# Altium PCB mppt.PcbDoc (part 2 of 2) (continued)
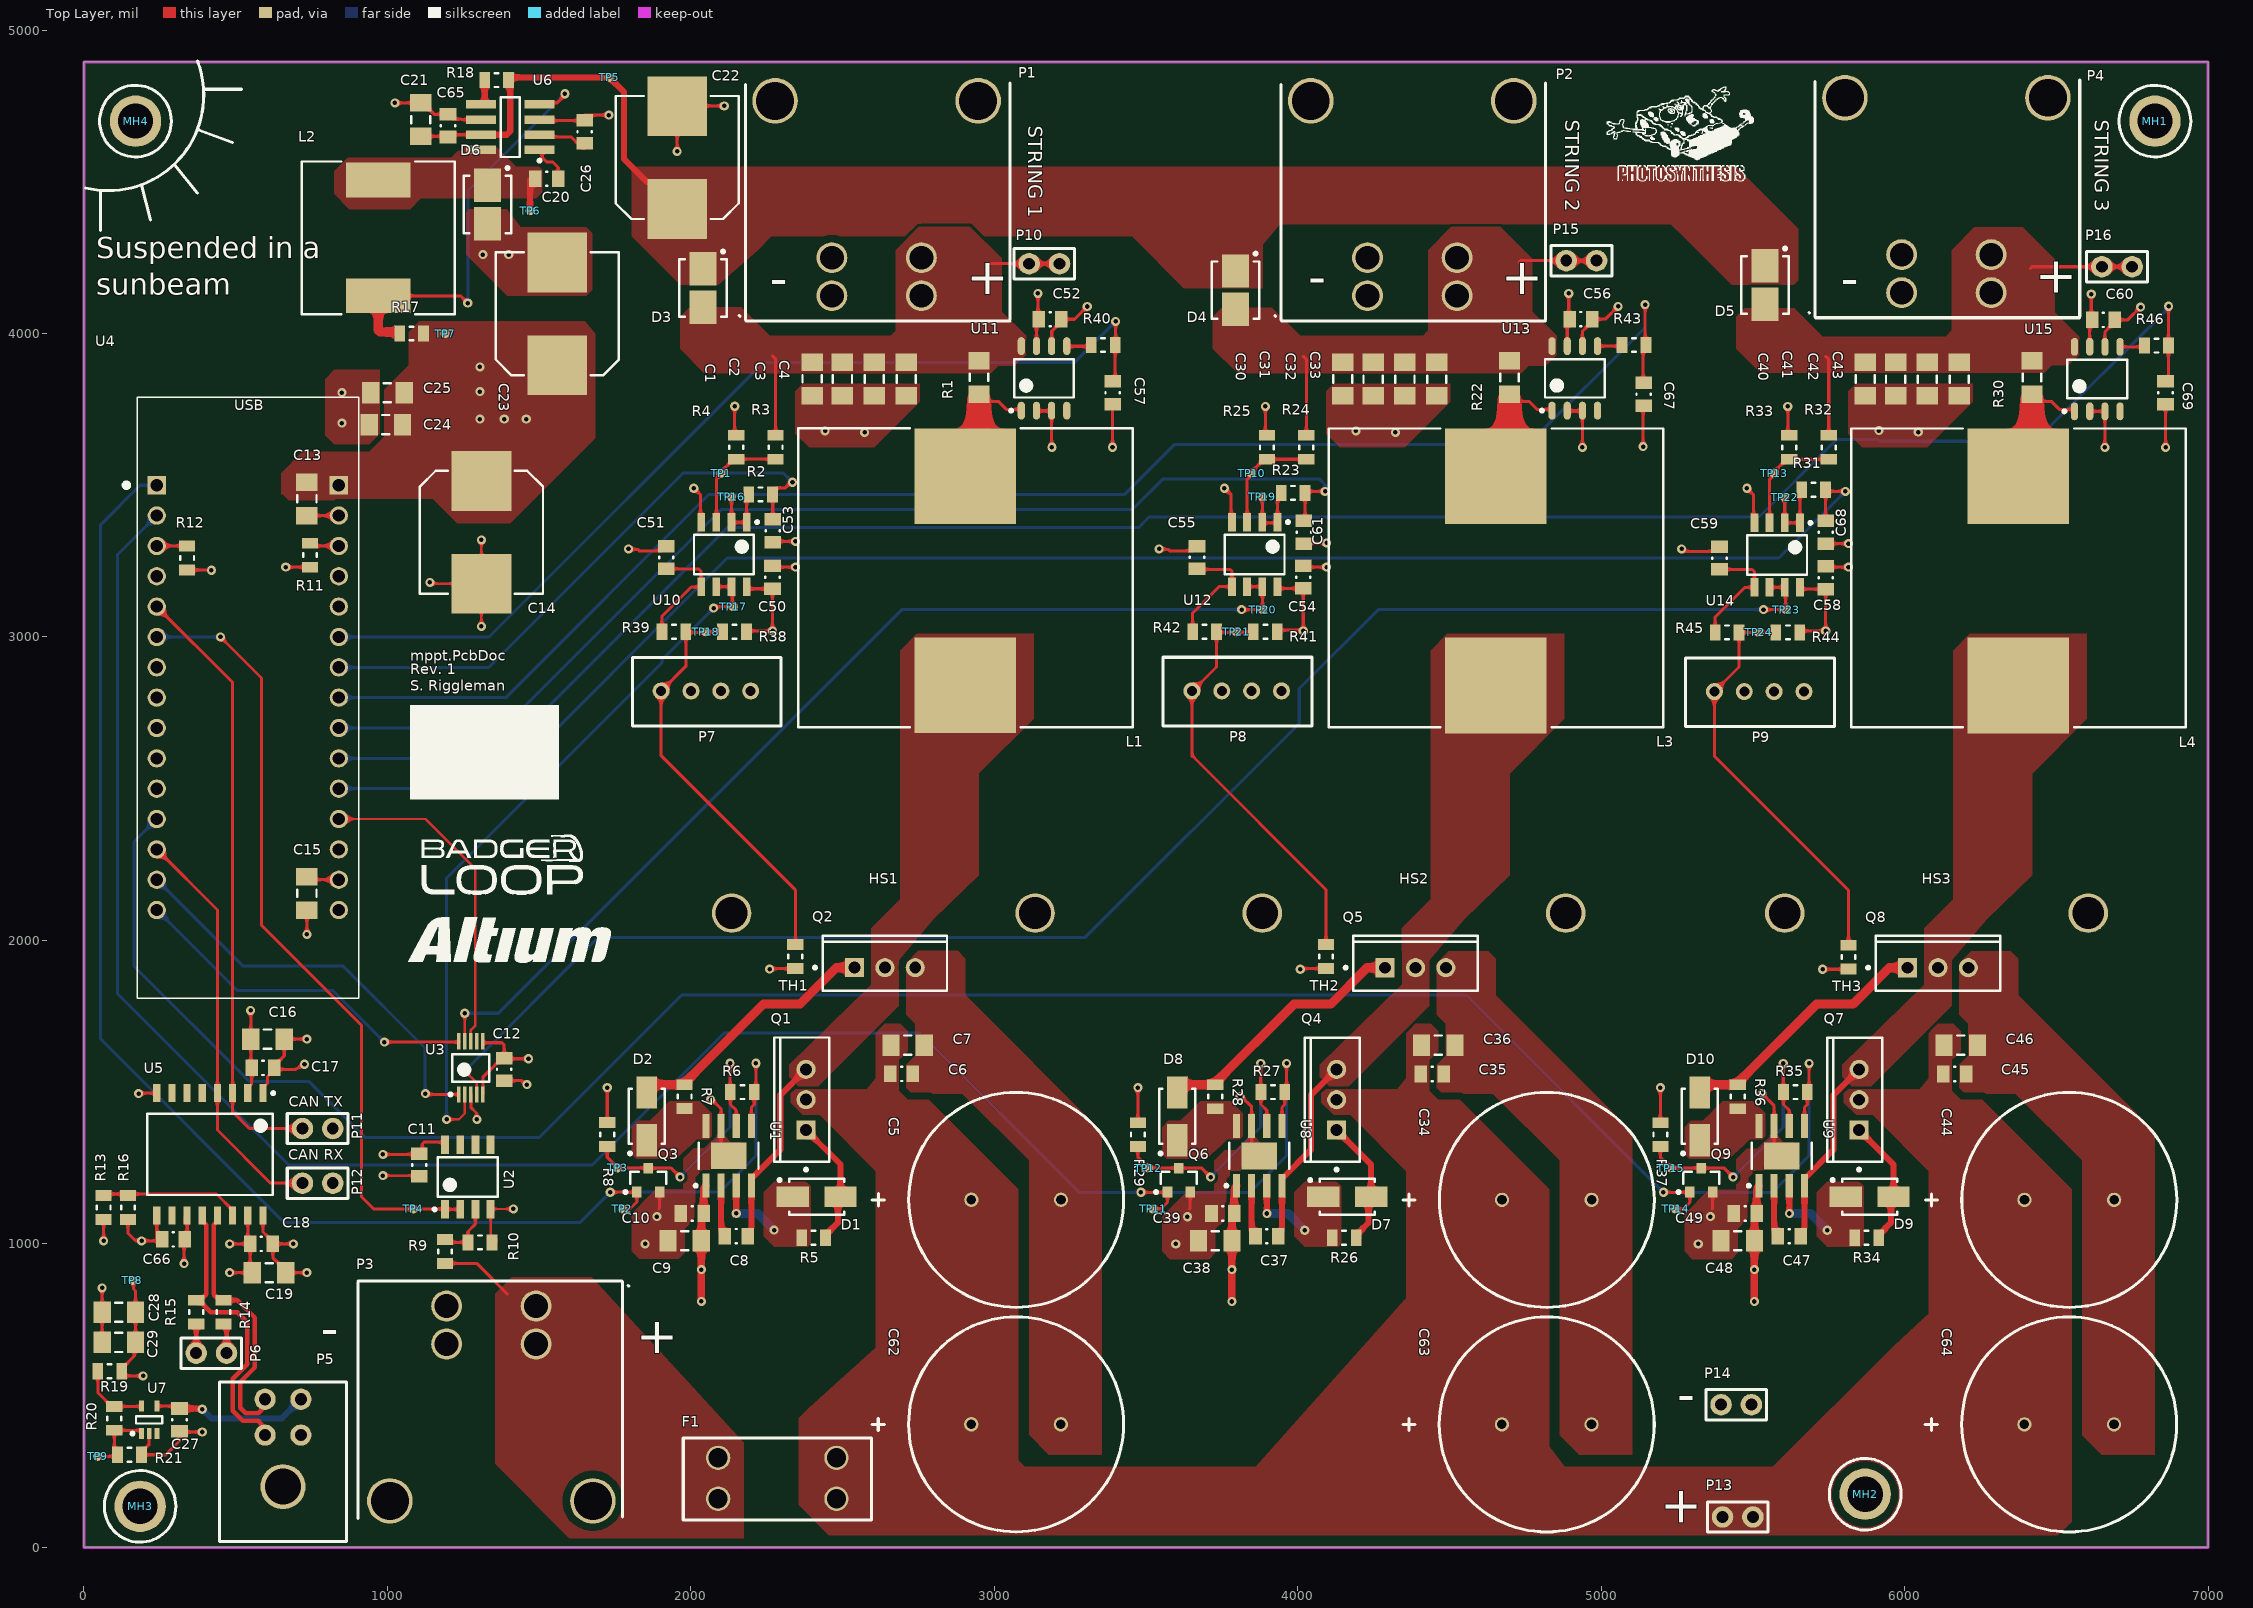
[diagram p0: Top Layer view]
## Nets (pads, with @x,y where several pads share a name; then routed paths per layer and width w, separated by ;. In a path a pad name is that pad's centre, name@x,y a point inside that pad or via, vN(x,y) a via of type N, cw(c..) or ccw(c..) an arc to the next point about the centre after c; other vN are vias at no path point) (continued)
VIN_DIV_STRING2: R24.2 R25.1 TP10.1 U12.3 | length 368.1
  Top Layer w10: U12.3@3833.19,3376.3 3833.19,3520.63 TP10.1@3845.37,3532.81 ; TP10.1@3848.19,3535 3852.02,3538.83 3852.02,3548.31 3889.33,3585.63 R24.2@4028.19,3585.63
VIN_DIV_STRING3: R32.2 R33.1 TP13.1 U14.3 | length 368.1
  Top Layer w10: U14.3@5555,3376.3 5555,3520.63 TP13.1@5567.19,3532.81 ; TP13.1@5570,3535 5573.83,3538.83 5573.83,3548.31 5611.14,3585.63 R32.2@5750,3585.63
VOUT_TELEM: TP4.1 U2.1 U2.2 U4.3.6 | length 2589.7
  Top Layer w10: v1(450,3000) 585,2865 585,2050 915,1720 915,1155 955,1115 TP4.1@1085,1115 1188.7,1115 U2.1@1190,1113.7 U2.2@1240,1113.7
  Bottom Layer w10: U4.3.6@240,3000 v1(450,3000)
VOUT_VDIV: R9.2 R10.1 U2.3 | length 198.3
  Top Layer w10: R9.2@1190,1014.37 1199.37,1005 R10.1@1265.63,1005 1265.72,1005.09 1265.72,1040.72 1290,1065 U2.3@1290,1113.7
pads on no net: MH1.2 MH2.2 MH3.2 MH4.2 P1. P2. P3. P4. P5.5 U2.5 U2.6 U2.7 U3.7 U4.3.7 U4.3.8 U4.3.9 U4.3.10 U4.3.11 U4.4.4 U4.4.5 U4.4.13 U4.4.15 U5.5 U5.6 U5.7 U5.10 U7.3 U11.4 U13.4 U15.4

## Polygon pours and split planes (outlines as drawn)
HV_GND on Top Layer "HV_GND_L01_P203" (solid, pour order 203): 20 vertices, not listed, extent 5274.74,1068.47 5650.13,1358.27
HV_GND on Top Layer "HV_GND_L01_P202" (solid, pour order 202): 20 vertices, not listed, extent 3554.74,1063.47 3930.13,1353.27
HV_GND on Top Layer "HV_GND_L01_P201" (solid, pour order 201): 20 vertices, not listed, extent 1804.61,1070.2 2180,1360
HV_GND on Top Layer "HV_GND_L01_P200" (solid, pour order 200): 975,3670 940,3635 825,3635 795,3665 795,3850 825,3880 975,3880
HV_GND on Top Layer "HV_GND_L01_P169" (solid, pour order 169): 4118.19,3835 4093.19,3810 4093.19,3670 4138.19,3625 4353.19,3625 4503.19,3775 4503.19,3835
HV_12P0V on Top Layer "HV_12P0V_L01_P199" (solid, pour order 199): 22 vertices, not listed, extent 650,3375 1685,4040
HV_GND on Top Layer "HV_GND_L01_P196" (solid, pour order 196): 1385,4420 1280,4420 1260,4400 1260,4260 1395,4125 1655,4125 1675,4145 1675,4330 1655,4350 1440.26,4350
NetC20_2 on Top Layer "NETC20_2_L01_P195" (solid, pour order 195): 1305,4620 1250,4620 1210,4580 870,4580 825,4535 825,4460 875,4410 1075,4410 1110,4445 1490,4445 1510,4465 1510,4540 1500,4550 1425,4550 1355,4620
NetC21_1 on Top Layer "NETC21_1_L01_P194" (solid, pour order 194): 23 vertices, not listed, extent 1805,4150 5650,4550
BATT_TELEM_OUT on Top Layer "BATT_TELEM_OUT_L01_P193" (solid, pour order 193): 1673.6,890 1410,890 1355,835 1355,275 1600,30 2175,30 2175,300 2175,345
BOOST_OUT_STRING1 on Top Layer "BOOST_OUT_STRING1_L01_P192" (solid, pour order 192): 17 vertices, not listed, extent 2355,40 6550,880
HV_GND on Top Layer "HV_GND_L01_P170" (solid, pour order 170): 2369.61,3835.2 2344.61,3810.2 2344.61,3670.2 2389.61,3625.2 2604.61,3625.2 2754.61,3775.2 2754.61,3835.2
BOOST_STRING2 on Top Layer "BOOST_STRING2_L01_P172" (solid, pour order 172): 18 vertices, not listed, extent 4073.19,1520 4878.19,3010
BOOST_OUT_STRING1 on Top Layer "BOOST_OUT_STRING1_L01_P175" (solid, pour order 175): 4463.19,1700 4438.19,1725 4385.33,1725 4358.19,1693.33 4358.19,215 4443.19,130 4788.19,130 4828.19,170 4828.19,230 4828.19,1180 4533.19,1475 4463.19,1475 4433.19,1505 4433.19,1605 4463.19,1635
BOOST_OUT_STRING1 on Top Layer "BOOST_OUT_STRING1_L01_P190" (solid, pour order 190): 4078.19,1500 4078.19,1475 4078.19,1465 4118.19,1425 4173.19,1425 4368.19,1230 4423.19,1230 4423.19,1495 4388.19,1545 4373.19,1545 4358.19,1545 4328.19,1510 4088.19,1510
STRING_POS_STRING1 on Top Layer "STRING_POS_STRING1_L01_P113" (solid, pour order 113): 21 vertices, not listed, extent 1965,3869.88 3100,4349.88
STRING_POS_STRING1 on Top Layer "STRING_POS_STRING1_L01_P114" (solid, pour order 114): 21 vertices, not listed, extent 1966.57,3869.09 3101.57,4349.09
STRING_POS_STRING1 on Top Layer "STRING_POS_STRING1_L01_P115" (solid, pour order 115): 21 vertices, not listed, extent 1966.57,3869.09 3101.57,4349.09
STRING_POS_STRING1 on Top Layer "STRING_POS_STRING1_L01_P117" (solid, pour order 117): 21 vertices, not listed, extent 1972.99,3869.53 3107.99,4349.53
STRING_POS_STRING1 on Top Layer "STRING_POS_STRING1_L01_P119" (solid, pour order 119): 21 vertices, not listed, extent 1965,3869.88 3100,4349.88
STRING_POS_STRING1 on Top Layer "STRING_POS_STRING1_L01_P121" (solid, pour order 121): 21 vertices, not listed, extent 1974.61,3870.2 3109.61,4350.2
STRING_POS_STRING1 on Top Layer "STRING_POS_STRING1_L01_P123" (solid, pour order 123): 21 vertices, not listed, extent 1968.16,3871.97 3103.16,4351.97
STRING_POS_STRING1 on Top Layer "STRING_POS_STRING1_L01_P124" (solid, pour order 124): 21 vertices, not listed, extent 1968.19,3869.76 3103.19,4349.76
STRING_POS_STRING1 on Top Layer "STRING_POS_STRING1_L01_P125" (solid, pour order 125): 21 vertices, not listed, extent 1965,3869.88 3100,4349.88
STRING_POS_STRING1 on Top Layer "STRING_POS_STRING1_L01_P126" (solid, pour order 126): 21 vertices, not listed, extent 1966.57,3869.09 3101.57,4349.09
STRING_POS_STRING1 on Top Layer "STRING_POS_STRING1_L01_P127" (solid, pour order 127): 21 vertices, not listed, extent 1965,3869.88 3100,4349.88
STRING_POS_STRING1 on Top Layer "STRING_POS_STRING1_L01_P128" (solid, pour order 128): 21 vertices, not listed, extent 1966.57,3869.09 3101.57,4349.09
STRING_POS_STRING1 on Top Layer "STRING_POS_STRING1_L01_P129" (solid, pour order 129): 21 vertices, not listed, extent 1966.57,3869.09 3101.57,4349.09
STRING_POS_STRING1 on Top Layer "STRING_POS_STRING1_L01_P132" (solid, pour order 132): 21 vertices, not listed, extent 1968.16,3871.97 3103.16,4351.97
STRING_POS_STRING1 on Top Layer "STRING_POS_STRING1_L01_P133" (solid, pour order 133): 21 vertices, not listed, extent 1968.19,3869.76 3103.19,4349.76
STRING_POS_STRING1 on Top Layer "STRING_POS_STRING1_L01_P134" (solid, pour order 134): 21 vertices, not listed, extent 1968.16,3871.97 3103.16,4351.97
STRING_POS_STRING1 on Top Layer "STRING_POS_STRING1_L01_P135" (solid, pour order 135): 21 vertices, not listed, extent 1968.19,3869.76 3103.19,4349.76
STRING_POS_STRING1 on Top Layer "STRING_POS_STRING1_L01_P136" (solid, pour order 136): 21 vertices, not listed, extent 1965,3869.88 3100,4349.88
STRING_POS_STRING1 on Top Layer "STRING_POS_STRING1_L01_P137" (solid, pour order 137): 21 vertices, not listed, extent 1966.57,3869.09 3101.57,4349.09
STRING_POS_STRING1 on Top Layer "STRING_POS_STRING1_L01_P138" (solid, pour order 138): 21 vertices, not listed, extent 1965,3869.88 3100,4349.88
STRING_POS_STRING1 on Top Layer "STRING_POS_STRING1_L01_P139" (solid, pour order 139): 21 vertices, not listed, extent 1966.57,3869.09 3101.57,4349.09
STRING_POS_STRING1 on Top Layer "STRING_POS_STRING1_L01_P140" (solid, pour order 140): 21 vertices, not listed, extent 1966.57,3869.09 3101.57,4349.09
STRING_POS_STRING1 on Top Layer "STRING_POS_STRING1_L01_P141" (solid, pour order 141): 21 vertices, not listed, extent 1974.58,3872.4 3109.58,4352.4
STRING_POS_STRING1 on Top Layer "STRING_POS_STRING1_L01_P142" (solid, pour order 142): 21 vertices, not listed, extent 1974.61,3870.2 3109.61,4350.2
STRING_POS_STRING1 on Top Layer "STRING_POS_STRING1_L01_P143" (solid, pour order 143): 21 vertices, not listed, extent 1974.58,3872.4 3109.58,4352.4
STRING_POS_STRING1 on Top Layer "STRING_POS_STRING1_L01_P144" (solid, pour order 144): 21 vertices, not listed, extent 1974.61,3870.2 3109.61,4350.2
STRING_POS_STRING1 on Top Layer "STRING_POS_STRING1_L01_P145" (solid, pour order 145): 21 vertices, not listed, extent 1971.42,3870.31 3106.42,4350.31
STRING_POS_STRING1 on Top Layer "STRING_POS_STRING1_L01_P146" (solid, pour order 146): 21 vertices, not listed, extent 1972.99,3869.53 3107.99,4349.53
STRING_POS_STRING1 on Top Layer "STRING_POS_STRING1_L01_P147" (solid, pour order 147): 21 vertices, not listed, extent 1971.42,3870.31 3106.42,4350.31
STRING_POS_STRING1 on Top Layer "STRING_POS_STRING1_L01_P148" (solid, pour order 148): 21 vertices, not listed, extent 1972.99,3869.53 3107.99,4349.53
STRING_POS_STRING1 on Top Layer "STRING_POS_STRING1_L01_P149" (solid, pour order 149): 21 vertices, not listed, extent 1972.99,3869.53 3107.99,4349.53
STRING_POS_STRING1 on Top Layer "STRING_POS_STRING1_L01_P150" (solid, pour order 150): 21 vertices, not listed, extent 1974.58,3872.4 3109.58,4352.4
STRING_POS_STRING1 on Top Layer "STRING_POS_STRING1_L01_P151" (solid, pour order 151): 21 vertices, not listed, extent 1974.61,3870.2 3109.61,4350.2
STRING_POS_STRING1 on Top Layer "STRING_POS_STRING1_L01_P152" (solid, pour order 152): 21 vertices, not listed, extent 1974.58,3872.4 3109.58,4352.4
STRING_POS_STRING1 on Top Layer "STRING_POS_STRING1_L01_P153" (solid, pour order 153): 21 vertices, not listed, extent 1974.61,3870.2 3109.61,4350.2
STRING_POS_STRING1 on Top Layer "STRING_POS_STRING1_L01_P154" (solid, pour order 154): 21 vertices, not listed, extent 1971.42,3870.31 3106.42,4350.31
STRING_POS_STRING1 on Top Layer "STRING_POS_STRING1_L01_P155" (solid, pour order 155): 21 vertices, not listed, extent 1972.99,3869.53 3107.99,4349.53
STRING_POS_STRING1 on Top Layer "STRING_POS_STRING1_L01_P156" (solid, pour order 156): 21 vertices, not listed, extent 1971.42,3870.31 3106.42,4350.31
STRING_POS_STRING1 on Top Layer "STRING_POS_STRING1_L01_P157" (solid, pour order 157): 21 vertices, not listed, extent 1972.99,3869.53 3107.99,4349.53
STRING_POS_STRING1 on Top Layer "STRING_POS_STRING1_L01_P158" (solid, pour order 158): 21 vertices, not listed, extent 1972.99,3869.53 3107.99,4349.53
STRING_POS_STRING1 on Top Layer "STRING_POS_STRING1_L01_P159" (solid, pour order 159): 21 vertices, not listed, extent 1974,3872 3109,4352
STRING_POS_STRING1 on Top Layer "STRING_POS_STRING1_L01_P160" (solid, pour order 160): 21 vertices, not listed, extent 1974.03,3869.8 3109.03,4349.8
STRING_POS_STRING1 on Top Layer "STRING_POS_STRING1_L01_P161" (solid, pour order 161): 21 vertices, not listed, extent 1974,3872 3109,4352
STRING_POS_STRING1 on Top Layer "STRING_POS_STRING1_L01_P162" (solid, pour order 162): 21 vertices, not listed, extent 1974.03,3869.8 3109.03,4349.8
STRING_POS_STRING1 on Top Layer "STRING_POS_STRING1_L01_P163" (solid, pour order 163): 21 vertices, not listed, extent 1970.84,3869.91 3105.84,4349.91
STRING_POS_STRING1 on Top Layer "STRING_POS_STRING1_L01_P164" (solid, pour order 164): 21 vertices, not listed, extent 1972.41,3869.13 3107.41,4349.13
STRING_POS_STRING1 on Top Layer "STRING_POS_STRING1_L01_P165" (solid, pour order 165): 21 vertices, not listed, extent 1970.84,3869.91 3105.84,4349.91
STRING_POS_STRING1 on Top Layer "STRING_POS_STRING1_L01_P166" (solid, pour order 166): 21 vertices, not listed, extent 1972.41,3869.13 3107.41,4349.13
STRING_POS_STRING1 on Top Layer "STRING_POS_STRING1_L01_P167" (solid, pour order 167): 21 vertices, not listed, extent 1972.41,3869.13 3107.41,4349.13
STRING_POS_STRING1 on Top Layer "STRING_POS_STRING1_L01_P108" (solid, pour order 108): 21 vertices, not listed, extent 1974.61,3870.2 3109.61,4350.2
BOOST_STRING1 on Top Layer "BOOST_STRING1_L01_P173" (solid, pour order 173): 18 vertices, not listed, extent 2324.61,1520.2 3129.61,3010.2
BOOST_OUT_STRING1 on Top Layer "BOOST_OUT_STRING1_L01_P176" (solid, pour order 176): 2714.61,1700.2 2689.61,1725.2 2636.75,1725.2 2609.61,1693.53 2609.61,215.2 2694.61,130.2 3039.61,130.2 3079.61,170.2 3079.61,230.2 3079.61,1180.2 2784.61,1475.2 2714.61,1475.2 2684.61,1505.2 2684.61,1605.2 2714.61,1635.2
DH_STRING1 on Top Layer "DH_STRING1_L01_P185" (solid, pour order 185): 2394.61,1190.2 2384.61,1200.2 ccw(c2372.54,1188.13) 2372.54,1205.2 2274.61,1205.2 2239.61,1170.2 2239.61,1025.2 2274.61,990.2 2384.61,990.2 2394.61,1000.2
BOOST_OUT_STRING1 on Top Layer "BOOST_OUT_STRING1_L01_P191" (solid, pour order 191): 2329.61,1500.2 2329.61,1475.2 2329.61,1465.2 2369.61,1425.2 2424.61,1425.2 2619.61,1230.2 2674.61,1230.2 2674.61,1495.2 2639.61,1545.2 2624.61,1545.2 2609.61,1545.2 2579.61,1510.2 2339.61,1510.2
DL_STRING1 on Top Layer "DL_STRING1_L01_P179" (solid, pour order 179): 1949.61,1280.2 1999.61,1325.2 2019.61,1345.2 2059.61,1345.2 2069.61,1355.2 2069.61,1430.2 2029.61,1470.2 1929.61,1470.2 1864.61,1405.2 1824.61,1405.2 1804.61,1385.2 1804.61,1295.2 1819.61,1280.2
HV_GND on Top Layer "HV_GND_L01_P182" (solid, pour order 182): 1994.61,1135.2 1869.61,1135.2 1804.61,1070.2 1804.61,975.2 1829.61,950.2 1959.61,950.2 1979.61,970.2 1979.61,1050.2 1994.61,1065.2 1994.61,1130.2
HV_GND on Top Layer "HV_GND_L01_P188" (solid, pour order 188): 21 vertices, not listed, extent 2709.61,305.2 3354.61,1965.2
STRING_POS_STRING2 on Top Layer "STRING_POS_STRING2_L01_P107" (solid, pour order 107): 21 vertices, not listed, extent 3723.19,3870 4858.19,4350
DH_STRING2 on Top Layer "DH_STRING2_L01_P184" (solid, pour order 184): 4143.19,1190 4133.19,1200 ccw(c4121.12,1187.93) 4121.12,1205 4023.19,1205 3988.19,1170 3988.19,1025 4023.19,990 4133.19,990 4143.19,1000
DL_STRING2 on Top Layer "DL_STRING2_L01_P178" (solid, pour order 178): 3698.19,1280 3748.19,1325 3768.19,1345 3808.19,1345 3818.19,1355 3818.19,1430 3778.19,1470 3678.19,1470 3613.19,1405 3573.19,1405 3553.19,1385 3553.19,1295 3568.19,1280
HV_GND on Top Layer "HV_GND_L01_P181" (solid, pour order 181): 3743.19,1135 3618.19,1135 3553.19,1070 3553.19,975 3578.19,950 3708.19,950 3728.19,970 3728.19,1050 3743.19,1065 3743.19,1130
HV_GND on Top Layer "HV_GND_L01_P187" (solid, pour order 187): 21 vertices, not listed, extent 4458.19,305 5103.19,1965
STRING_POS_STRING2 on Top Layer "STRING_POS_STRING2_L01_P106" (solid, pour order 106): 21 vertices, not listed, extent 3723.19,3870 4858.19,4350
HV_GND on Top Layer "HV_GND_L01_P186" (solid, pour order 186): 21 vertices, not listed, extent 6180,305 6825,1965
STRING_POS_STRING2 on Top Layer "STRING_POS_STRING2_L01_P131" (solid, pour order 131): 21 vertices, not listed, extent 3723.16,3872.2 4858.16,4352.2
STRING_POS_STRING2 on Top Layer "STRING_POS_STRING2_L01_P130" (solid, pour order 130): 21 vertices, not listed, extent 3723.19,3870 4858.19,4350
STRING_POS_STRING2 on Top Layer "STRING_POS_STRING2_L01_P122" (solid, pour order 122): 21 vertices, not listed, extent 3723.16,3872.2 4858.16,4352.2
STRING_POS_STRING2 on Top Layer "STRING_POS_STRING2_L01_P120" (solid, pour order 120): 21 vertices, not listed, extent 3723.19,3870 4858.19,4350
STRING_POS_STRING2 on Top Layer "STRING_POS_STRING2_L01_P118" (solid, pour order 118): 21 vertices, not listed, extent 3720,3870.12 4855,4350.12
STRING_POS_STRING2 on Top Layer "STRING_POS_STRING2_L01_P116" (solid, pour order 116): 21 vertices, not listed, extent 3721.57,3869.33 4856.57,4349.33
STRING_POS_STRING2 on Top Layer "STRING_POS_STRING2_L01_P112" (solid, pour order 112): 21 vertices, not listed, extent 3720,3870.12 4855,4350.12
STRING_POS_STRING2 on Top Layer "STRING_POS_STRING2_L01_P111" (solid, pour order 111): 21 vertices, not listed, extent 3721.57,3869.33 4856.57,4349.33
STRING_POS_STRING2 on Top Layer "STRING_POS_STRING2_L01_P110" (solid, pour order 110): 21 vertices, not listed, extent 3721.57,3869.33 4856.57,4349.33
HV_GND on Top Layer "HV_GND_L01_P180" (solid, pour order 180): 5465,1135 5340,1135 5275,1070 5275,975 5300,950 5430,950 5450,970 5450,1050 5465,1065 5465,1130
DL_STRING3 on Top Layer "DL_STRING3_L01_P177" (solid, pour order 177): 5420,1280 5470,1325 5490,1345 5530,1345 5540,1355 5540,1430 5500,1470 5400,1470 5335,1405 5295,1405 5275,1385 5275,1295 5290,1280
BOOST_OUT_STRING1 on Top Layer "BOOST_OUT_STRING1_L01_P189" (solid, pour order 189): 5800,1500 5800,1475 5800,1465 5840,1425 5895,1425 6090,1230 6145,1230 6145,1495 6110,1545 6095,1545 6080,1545 6050,1510 5810,1510
DH_STRING3 on Top Layer "DH_STRING3_L01_P183" (solid, pour order 183): 5865,1190 5855,1200 ccw(c5842.93,1187.93) 5842.93,1205 5745,1205 5710,1170 5710,1025 5745,990 5855,990 5865,1000
BOOST_OUT_STRING1 on Top Layer "BOOST_OUT_STRING1_L01_P174" (solid, pour order 174): 6185,1700 6160,1725 6107.14,1725 6080,1693.33 6080,215 6165,130 6510,130 6550,170 6550,230 6550,1180 6255,1475 6185,1475 6155,1505 6155,1605 6185,1635
BOOST_STRING3 on Top Layer "BOOST_STRING3_L01_P171" (solid, pour order 171): 18 vertices, not listed, extent 5795,1520 6600,3010
STRING_POS_STRING3 on Top Layer "STRING_POS_STRING3_L01_P105" (solid, pour order 105): 21 vertices, not listed, extent 5445,3870 6580,4350
HV_GND on Top Layer "HV_GND_L01_P168" (solid, pour order 168): 5840,3835 5815,3810 5815,3670 5860,3625 6075,3625 6225,3775 6225,3835
HV_GND on Layer 1 (split plane): 6979.9,20.1 890.1,20.1 890.1,970 889.71,971.95 888.6,973.6 593.6,1268.6 591.95,1269.71 590,1270.1 20.1,1270.1 20.1,4874.9 6979.9,4874.9
LV_GND on Layer 1 (split plane): 879.9,967.89 879.9,20.1 20.1,20.1 20.1,1259.9 587.89,1259.9
LV_5P0V on Layer 2 (split plane): 884.9,962.89 884.9,20.1 20.1,20.1 20.1,1264.9 582.89,1264.9
HV_3P3V on Layer 2 (split plane): 6979.9,20.1 895.1,20.1 895.1,965 894.71,966.95 893.6,968.6 588.6,1273.6 586.95,1274.71 585,1275.1 20.1,1275.1 20.1,4874.9 6979.9,4874.9
HV_12P0V on Layer 2 (split plane): 36 vertices, not listed, extent 660.1,565.1 5594.9,4044.9

## Keep-outs
Keep-Out Layer:
  the board outline again, w10

## Other copper
Layer 1 (plane layer: these items are gaps in the copper):
  lines w10: 0,1265 590,1265 885,970 885,0
Layer 2 (plane layer: these items are gaps in the copper):
  lines w10: 0,1270 585,1270 890,965 890,10 ; 655,3435 655,4000 655,4015 670,4030 690,4050 1445,4050 1515,3980 1515,3480 1390,3355 1390,1435 1690,1135 5335,1135 5435,1135 5600,970 5600,730 5430,560 1095,560 1040,615 1040,3230 920,3350 735,3350 660,3425 660,3445

## Silkscreen, mask and mechanical layers (free items; w line width, h text height)
Top Overlay:
  drawing of 234 lines, arcs and shapes, not listed
  text "STRING 2" at 4865.74,4705 h80 r270
  text "STRING 3" at 6610.74,4705 h80 r270
  text "STRING 1" at 3095.74,4685 h80 r270
  text "+" at 6430,4135.01 h120
  text "+" at 2910,4130.01 h120
  text "-" at 4035,4130.02 h120
  text "+" at 4670,4130.01 h120
  text "-" at 2260,4125.02 h120
  text "-" at 5790,4125.02 h120
  text "Suspended in a / sunbeam" at 40,4105 h120
  text "mppt.PcbDoc" at 1075,2910.66 h60
  text "Rev. 1" at 1075,2865.55 h60
  text "S. Riggleman" at 1075,2810.88 h60
  text "CAN TX" at 675,1440.67 h60
  text "CAN RX" at 673.7,1266.14 h60
  text "-" at 780,665.02 h120
  text "+" at 1820,640.01 h120
  text "-" at 5310,534.98 h120 r180
  text "+" at 5314.99,65 h120 r90
Board Outline:
  lines w10: 6995,0 7000,5
Mechanical 4:
  the board outline again, w10
Mechanical 16:
  drawing of 295 lines, arcs and shapes, not listed
  text "Layer" at 143.23,6588.65 h61.82
  text "Name" at 565,6588.65 h61.82
  text "Material" at 1522.41,6588.65 h61.82
  text "Thickness" at 2407.72,6588.65 h61.82
  text "Constant" at 3076.71,6588.65 h61.82
  text "Board Layer Stack" at 3663.3,6588.65 h61.82
  text "Top Overlay" at 565,6465 h61.82
  text "Top Solder" at 565,6341.35 h61.82
  text "Solder Resist" at 1522.41,6341.35 h61.82
  text "0.40mil" at 2407.72,6341.35 h61.82
  text "3.5" at 3076.71,6341.35 h61.82
  text "1" at 143.23,6217.7 h61.82
  text "Top Layer" at 565,6217.7 h61.82
  text "1.40mil" at 2407.72,6217.7 h61.82
  text "Dielectric 2" at 565,6094.05 h61.82
  text "PP-006" at 1522.41,6094.05 h61.82
  text "2.80mil" at 2407.72,6094.05 h61.82
  text "4.1" at 3076.71,6094.05 h61.82
  text "2" at 143.23,5970.4 h61.82
  text "Layer 1" at 565,5970.4 h61.82
  text "CF-004" at 1522.41,5970.4 h61.82
  text "1.38mil" at 2407.72,5970.4 h61.82
  text "Dielectric 1" at 565,5846.75 h61.82
  text "FR-4" at 1522.41,5846.75 h61.82
  text "12.60mil" at 2407.72,5846.75 h61.82
  text "4.8" at 3076.71,5846.75 h61.82
  text "3" at 143.23,5723.1 h61.82
  text "Layer 2" at 565,5723.1 h61.82
  text "CF-004" at 1522.41,5723.1 h61.82
  text "1.38mil" at 2407.72,5723.1 h61.82
  text "Dielectric 3" at 565,5599.45 h61.82
  text "PP-006" at 1522.41,5599.45 h61.82
  text "2.80mil" at 2407.72,5599.45 h61.82
  text "4.1" at 3076.71,5599.45 h61.82
  text "4" at 143.23,5475.8 h61.82
  text "Bottom Layer" at 565,5475.8 h61.82
  text "1.40mil" at 2407.72,5475.8 h61.82
  text "Bottom Solder" at 565,5352.15 h61.82
  text "Solder Resist" at 1522.41,5352.15 h61.82
  text "0.40mil" at 2407.72,5352.15 h61.82
  text "3.5" at 3076.71,5352.15 h61.82
  text "Bottom Overlay" at 565,5228.5 h61.82
  text "Total board thickness:" at 143.23,5104.85 h61.82
  text "24.56mil" at 2407.72,5104.85 h61.82
Drill Drawing:
  circle w10: c167.41,8573.33 r33.33
  circle w10: c167.41,8273.33 r20
  circle w10: c167.41,8273.33 r33.33
  lines w10: 134.07,7056.67 150.74,7056.67 150.74,7040 184.07,7040 184.07,7056.67 200.74,7056.67 200.74,7090 184.07,7090 184.07,7106.67 150.74,7106.67 150.74,7090 134.07,7090 134.07,7056.67 ; 134.07,7256.67 200.74,7256.67 167.41,7190 134.07,7256.67 ; 134.07,7356.67 150.74,7356.67 150.74,7340 184.07,7340 184.07,7356.67 200.74,7356.67 200.74,7390 184.07,7390 184.07,7406.67 150.74,7406.67 150.74,7390 134.07,7390 134.07,7356.67 ; 134.07,7523.33 167.41,7490 200.74,7523.33 167.41,7556.67 134.07,7523.33 ; 134.07,7656.67 150.74,7656.67 167.41,7640 184.07,7656.67 200.74,7656.67 184.07,7673.33 200.74,7690 184.07,7690 167.41,7706.67 150.74,7690 134.07,7690 150.74,7673.33 134.07,7656.67 ; 134.07,7806.67 150.74,7806.67 167.41,7790 184.07,7806.67 200.74,7806.67 184.07,7823.33 200.74,7840 184.07,7840 167.41,7856.67 150.74,7840 134.07,7840 150.74,7823.33 134.07,7806.67 ; 134.07,7940 134.07,7956.67 150.74,7973.33 134.07,7990 134.07,8006.67 150.74,8006.67 167.41,7990 184.07,8006.67 200.74,8006.67 200.74,7990 184.07,7973.33 200.74,7956.67 200.74,7940 184.07,7940 167.41,7956.67 150.74,7940 134.07,7940 ; 134.07,8090 167.41,8106.67 200.74,8090 184.07,8123.33 200.74,8156.67 167.41,8140 134.07,8156.67 150.74,8123.33 134.07,8090 ; 134.07,8390 200.74,8390 200.74,8456.67 134.07,8456.67 134.07,8390 ; 134.07,8690 200.74,8690 200.74,8756.67 134.07,8756.67 134.07,8690 ; 147.41,7063.33 157.41,7063.33 157.41,7053.33 177.41,7053.33 177.41,7063.33 187.41,7063.33 187.41,7083.33 177.41,7083.33 177.41,7093.33 157.41,7093.33 157.41,7083.33 147.41,7083.33 147.41,7063.33 ; 147.41,7663.33 157.41,7663.33 167.41,7653.33 177.41,7663.33 187.41,7663.33 177.41,7673.33 187.41,7683.33 177.41,7683.33 167.41,7693.33 157.41,7683.33 147.41,7683.33 157.41,7673.33 147.41,7663.33 ; 147.41,8403.33 187.41,8403.33 187.41,8443.33 147.41,8443.33 147.41,8403.33
  lines w15: 74.28,6995 10665.35,6995 ; 74.28,8795 10665.35,8795 ; 625.16,6845 625.16,8945 ; 1225,6845 1225,8945 ; 2374.66,6845 2374.66,8945 ; 2880.54,6845 2880.54,8945 ; 3614.34,6845 3614.34,8945 ; 5113.89,6845 5113.89,8945 ; 5703.74,6845 5703.74,8945 ; 6449.54,6845 6449.54,8945 ; 7099.37,6845 7099.37,8945 ; 7953.13,6845 7953.13,8945 ; 9286.74,6845 9286.74,8945 ; 74.28,6845 10665.35,6845 10665.35,8945 74.28,8945 74.28,6845
  text "Symbol" at 164.28,8840 h72
  text "Count" at 670.16,8840 h72
  text "Hole Size" at 1270,8840 h72
  text "Plated" at 2419.66,8840 h72
  text "Hole Type" at 2925.54,8840 h72
  text "Drill Layer Pair" at 3659.34,8840 h72
  text "Via/Pad" at 5158.89,8840 h72
  text "Pad Shape" at 5748.74,8840 h72
  text "Template" at 6494.54,8840 h72
  text "Description" at 7144.37,8840 h72
  text "Hole Tolerance (+)" at 7998.13,8840 h72
  text "Hole Tolerance (-)" at 9331.74,8840 h72
  text "1" at 670.16,8690 h60
  text "118.00mil (2.997mm)" at 1270,8690 h60
  text "PTH" at 2419.66,8690 h60
  text "Round" at 2925.54,8690 h60
  text "Top Layer - Bottom Layer" at 3659.34,8690 h60
  text "Pad" at 5158.89,8690 h60
  text "Rounded" at 5748.74,8690 h60
  text "c376h300" at 6494.54,8690 h60
  text "4" at 670.16,8540 h60
  text "40.00mil (1.016mm)" at 1270,8540 h60
  text "PTH" at 2419.66,8540 h60
  text "Round" at 2925.54,8540 h60
  text "Top Layer - Bottom Layer" at 3659.34,8540 h60
  text "Pad" at 5158.89,8540 h60
  text "Rounded" at 5748.74,8540 h60
  text "c178h102" at 6494.54,8540 h60
  text "4" at 670.16,8390 h60
  text "63.00mil (1.600mm)" at 1270,8390 h60
  text "PTH" at 2419.66,8390 h60
  text "Round" at 2925.54,8390 h60
  text "Top Layer - Bottom Layer" at 3659.34,8390 h60
  text "Pad" at 5158.89,8390 h60
  text "Rounded" at 5748.74,8390 h60
  text "c203h160" at 6494.54,8390 h60
  text "4" at 670.16,8240 h60
  text "116.00mil (2.946mm)" at 1270,8240 h60
  text "NPTH" at 2419.66,8240 h60
  text "Round" at 2925.54,8240 h60
  text "Top Layer - Bottom Layer" at 3659.34,8240 h60
  text "Pad" at 5158.89,8240 h60
  text "Rounded" at 5748.74,8240 h60
  text "c430hn295" at 6494.54,8240 h60
  text "6" at 670.16,8090 h60
  text "105.00mil (2.667mm)" at 1270,8090 h60
  text "PTH" at 2419.66,8090 h60
  text "Round" at 2925.54,8090 h60
  text "Top Layer - Bottom Layer" at 3659.34,8090 h60
  text "Pad" at 5158.89,8090 h60
  text "Rounded" at 5748.74,8090 h60
  text "c330h267" at 6494.54,8090 h60
  text "8" at 670.16,7940 h60
  text "125.00mil (3.175mm)" at 1270,7940 h60
  text "PTH" at 2419.66,7940 h60
  text "Round" at 2925.54,7940 h60
  text "Top Layer - Bottom Layer" at 3659.34,7940 h60
  text "Pad" at 5158.89,7940 h60
  text "Rounded" at 5748.74,7940 h60
  text "c381h318" at 6494.54,7940 h60
  text "12" at 670.16,7790 h60
  text "31.50mil (0.800mm)" at 1270,7790 h60
  text "PTH" at 2419.66,7790 h60
  text "Round" at 2925.54,7790 h60
  text "Top Layer - Bottom Layer" at 3659.34,7790 h60
  text "Pad" at 5158.89,7790 h60
  text "Rounded" at 5748.74,7790 h60
  text "c120h80" at 6494.54,7790 h60
  text "12" at 670.16,7640 h60
  text "33.00mil (0.838mm)" at 1270,7640 h60
  text "PTH" at 2419.66,7640 h60
  text "Round" at 2925.54,7640 h60
  text "Top Layer - Bottom Layer" at 3659.34,7640 h60
  text "Pad" at 5158.89,7640 h60
  text "Rounded" at 5748.74,7640 h60
  text "c142h84" at 6494.54,7640 h60
  text "16" at 670.16,7490 h60
  text "77.95mil (1.980mm)" at 1270,7490 h60
  text "PTH" at 2419.66,7490 h60
  text "Round" at 2925.54,7490 h60
  text "Top Layer - Bottom Layer" at 3659.34,7490 h60
  text "Pad" at 5158.89,7490 h60
  text "Rounded" at 5748.74,7490 h60
  text "c258h198" at 6494.54,7490 h60
  text "30" at 670.16,7340 h60
  text "40.16mil (1.020mm)" at 1270,7340 h60
  text "PTH" at 2419.66,7340 h60
  text "Round" at 2925.54,7340 h60
  text "Top Layer - Bottom Layer" at 3659.34,7340 h60
  text "Pad" at 5158.89,7340 h60
  text "(Mixed)" at 5748.74,7340 h60
  text "(Mixed)" at 6494.54,7340 h60
  text "34" at 670.16,7190 h60
  text "39.37mil (1.000mm)" at 1270,7190 h60
  text "PTH" at 2419.66,7190 h60
  text "Round" at 2925.54,7190 h60
  text "Top Layer - Bottom Layer" at 3659.34,7190 h60
  text "Pad" at 5158.89,7190 h60
  text "(Mixed)" at 5748.74,7190 h60
  text "(Mixed)" at 6494.54,7190 h60
  text "132" at 670.16,7040 h60
  text "15.00mil (0.381mm)" at 1270,7040 h60
  text "PTH" at 2419.66,7040 h60
  text "Round" at 2925.54,7040 h60
  text "Top Layer - Bottom Layer" at 3659.34,7040 h60
  text "Via" at 5158.89,7040 h60
  text "Rounded" at 5748.74,7040 h60
  text "v76h38" at 6494.54,7040 h60
  text "263 Total" at 670.16,6890 h60

## Dimensions
7000,0 to 7000,4895 on Mechanical 4
0,4895 to 7000,4895 on Mechanical 4

## Text inside footprints (layer, text, board x,y; h text height)
U4: Top Overlay "USB" at 495,3735 h60